# Altium PCB Thunderscope-E.PCBDOC (part 4 of 4)
Units mm, origin at the board's own origin, x right, y up, seen from the top; angles counter-clockwise.
Board outline 90.45 x 105.75 mm, 4 copper layers (L1, L2, L3, L4), stack 1.641 mm thick; 474 components, 268 nets, 1559 pads, 783 vias.
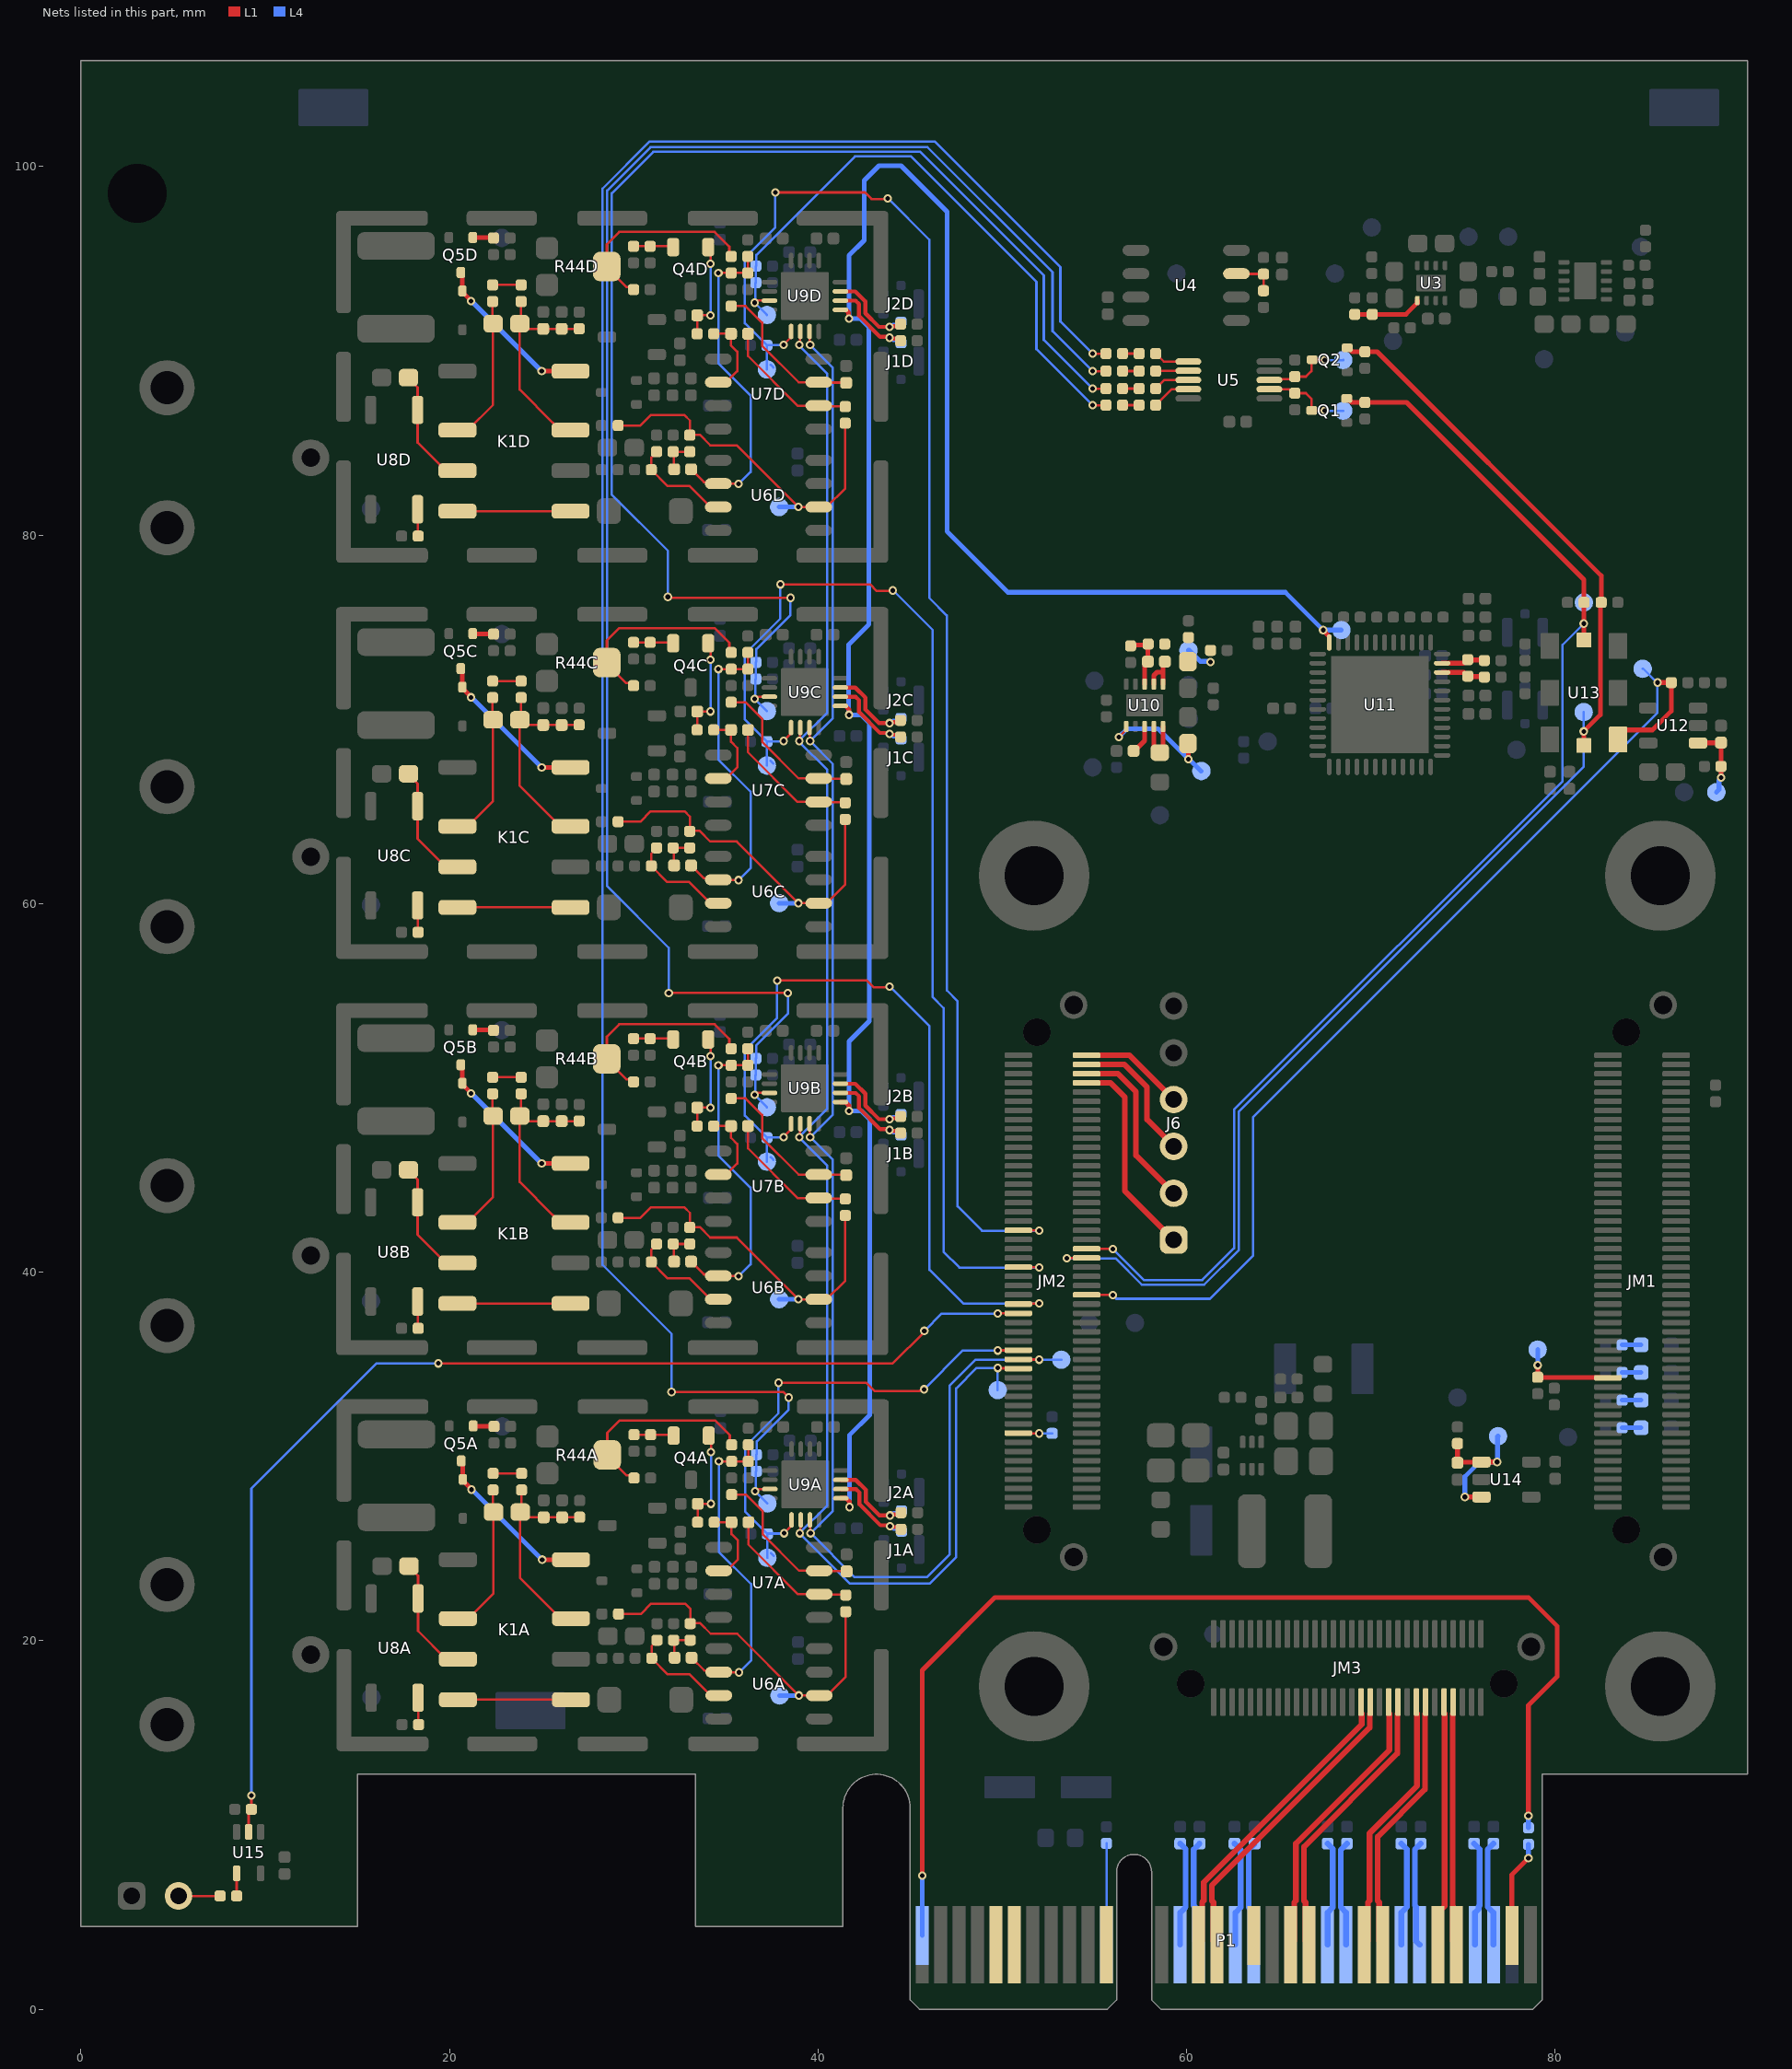
[diagram p6: the nets of this part, all layers, seen from the top]

## Via types
v1: diameter 0.457, hole 0.254, L1 to L4, tented both sides, 783 vias

## Nets (pads, with @x,y where several pads share a name; then routed paths per layer and width w, separated by ;. In a path a pad name is that pad's centre, name@x,y a point inside that pad or via, vN(x,y) a via of type N, cw(c..) or ccw(c..) an arc to the next point about the centre after c; other vN are vias at no path point) (continued)
NetC18A_2: C18A.2 R33A.2 U7A.3 | length 8.7
  L1 w0.127: R33A.2@35.313,27.93 36.088,27.93 36.988,27.03 36.988,25.78 38.971,23.796 U7A.3@40.063,23.796 40.079,23.781 41.534,23.781 C18A.2@41.55,23.765
NetC18B_2: C18B.2 R33B.2 U7B.3 | length 8.7
  L1 w0.127: R33B.2@35.288,49.431 36.063,49.431 36.963,48.531 36.963,47.281 38.946,45.297 U7B.3@40.038,45.297 40.054,45.282 41.509,45.282 C18B.2@41.525,45.266
NetC18C_2: C18C.2 R33C.2 U7C.3 | length 8.7
  L1 w0.127: R33C.2@35.288,70.93 36.063,70.93 36.963,70.03 36.963,68.78 38.946,66.796 U7C.3@40.038,66.796 40.054,66.781 41.509,66.781 C18C.2@41.525,66.765
NetC18D_2: C18D.2 R33D.2 U7D.3 | length 8.7
  L1 w0.127: R33D.2@35.288,92.43 36.063,92.43 36.963,91.53 36.963,90.28 38.946,88.296 U7D.3@40.038,88.296 40.054,88.281 41.509,88.281 C18D.2@41.525,88.265
NetC19A_2: C19A.2 Q4A.1 R35A.1 | length 5.5
  L1 w0.127: R35A.1@33.463,26.43 33.468,26.435 33.468,27.425 C19A.2@33.473,27.43 v1(34.188,27.43) ; Q4A.1@34.063,31.13 34.188,31.005 v1(34.188,30.23)
  L4 w0.127: v1(34.188,27.43) v1(34.188,30.23)
NetC19B_2: C19B.2 Q4B.1 R35B.1 | length 5.5
  L1 w0.127: R35B.1@33.438,47.931 33.443,47.936 33.443,48.926 C19B.2@33.448,48.931 v1(34.163,48.931) ; Q4B.1@34.038,52.631 34.163,52.506 v1(34.163,51.731)
  L4 w0.127: v1(34.163,48.931) v1(34.163,51.731)
NetC19C_2: C19C.2 Q4C.1 R35C.1 | length 5.5
  L1 w0.127: R35C.1@33.438,69.43 33.443,69.435 33.443,70.425 C19C.2@33.448,70.43 v1(34.163,70.43) ; Q4C.1@34.038,74.13 34.163,74.005 v1(34.163,73.23)
  L4 w0.127: v1(34.163,70.43) v1(34.163,73.23)
NetC19D_2: C19D.2 Q4D.1 R35D.1 | length 5.5
  L1 w0.127: R35D.1@33.438,90.93 33.443,90.935 33.443,91.925 C19D.2@33.448,91.93 v1(34.163,91.93) ; Q4D.1@34.038,95.63 34.163,95.505 v1(34.163,94.73)
  L4 w0.127: v1(34.163,91.93) v1(34.163,94.73)
NetC20A_1: C20A.1 R36A.1 R39A.2 | length 1.9
  L1 w0.127: C20A.1@32.215,19.075 32.189,19.101 32.189,20.004 R39A.2@32.163,20.03 R36A.1@33.063,20.03
NetC20A_2: C20A.2 R40A.1 R41A.2 R43A.2 U6A.2 | length 17.8
  L1 w0.127: C20A.2@33.135,19.075 33.83,18.38 34.529,18.38 U6A.2@34.613,18.296 34.621,18.288 35.705,18.288 v1(35.713,18.28) ; v1(34.619,29.73) R43A.2@35.313,29.73 R40A.1@36.213,29.73 R41A.2@36.213,30.63
  L4 w0.127: v1(34.619,29.73) 34.619,24.823 36.363,23.08 36.363,18.93 v1(35.713,18.28)
NetC20B_1: C20B.1 R36B.1 R39B.2 | length 1.9
  L1 w0.127: C20B.1@32.19,40.576 32.164,40.602 32.164,41.505 R39B.2@32.138,41.531 R36B.1@33.038,41.531
NetC20B_2: C20B.2 R40B.1 R41B.2 R43B.2 U6B.2 | length 17.8
  L1 w0.127: C20B.2@33.11,40.576 33.805,39.882 34.504,39.882 U6B.2@34.588,39.797 34.596,39.789 35.68,39.789 v1(35.688,39.781) ; v1(34.594,51.231) R43B.2@35.288,51.231 R40B.1@36.188,51.231 R41B.2@36.188,52.131
  L4 w0.127: v1(34.594,51.231) 34.594,46.324 36.338,44.581 36.338,40.431 v1(35.688,39.781)
NetC20C_1: C20C.1 R36C.1 R39C.2 | length 1.9
  L1 w0.127: C20C.1@32.19,62.075 32.164,62.101 32.164,63.004 R39C.2@32.138,63.03 R36C.1@33.038,63.03
NetC20C_2: C20C.2 R40C.1 R41C.2 R43C.2 U6C.2 | length 17.8
  L1 w0.127: C20C.2@33.11,62.075 33.805,61.38 34.504,61.38 U6C.2@34.588,61.296 34.596,61.288 35.68,61.288 v1(35.688,61.28) ; v1(34.594,72.73) R43C.2@35.288,72.73 R40C.1@36.188,72.73 R41C.2@36.188,73.63
  L4 w0.127: v1(34.594,72.73) 34.594,67.823 36.338,66.08 36.338,61.93 v1(35.688,61.28)
NetC20D_1: C20D.1 R36D.1 R39D.2 | length 1.9
  L1 w0.127: C20D.1@32.19,83.575 32.164,83.601 32.164,84.504 R39D.2@32.138,84.53 R36D.1@33.038,84.53
NetC20D_2: C20D.2 R40D.1 R41D.2 R43D.2 U6D.2 | length 17.8
  L1 w0.127: C20D.2@33.11,83.575 33.805,82.88 34.504,82.88 U6D.2@34.588,82.796 34.596,82.788 35.68,82.788 v1(35.688,82.78) ; v1(34.594,94.23) R43D.2@35.288,94.23 R40D.1@36.188,94.23 R41D.2@36.188,95.13
  L4 w0.127: v1(34.594,94.23) 34.594,89.323 36.338,87.58 36.338,83.43 v1(35.688,82.78)
NetC21A_1: C21A.1 R42A.2 U7A.2 | length 7.6
  L1 w0.127: C21A.1@36.223,26.43 36.223,25.22 38.916,22.526 U7A.2@40.063,22.526 40.089,22.501 41.474,22.501 R42A.2@41.5,22.475
NetC21A_2: C21A.2 R35A.2 U7A.6 | length 4.4
  L1 w0.127: R35A.2@34.363,26.43 C21A.2@35.303,26.43 35.303,25.79 35.638,25.455 35.638,24.396 35.038,23.796 U7A.6@34.613,23.796
NetC21B_1: C21B.1 R42B.2 U7B.2 | length 7.6
  L1 w0.127: C21B.1@36.198,47.931 36.198,46.721 38.891,44.027 U7B.2@40.038,44.027 40.064,44.002 41.449,44.002 R42B.2@41.475,43.976
NetC21B_2: C21B.2 R35B.2 U7B.6 | length 4.4
  L1 w0.127: R35B.2@34.338,47.931 C21B.2@35.278,47.931 35.278,47.291 35.613,46.956 35.613,45.897 35.013,45.297 U7B.6@34.588,45.297
NetC21C_1: C21C.1 R42C.2 U7C.2 | length 7.6
  L1 w0.127: C21C.1@36.198,69.43 36.198,68.22 38.891,65.526 U7C.2@40.038,65.526 40.064,65.501 41.449,65.501 R42C.2@41.475,65.475
NetC21C_2: C21C.2 R35C.2 U7C.6 | length 4.4
  L1 w0.127: R35C.2@34.338,69.43 C21C.2@35.278,69.43 35.278,68.79 35.613,68.455 35.613,67.396 35.013,66.796 U7C.6@34.588,66.796
NetC21D_1: C21D.1 R42D.2 U7D.2 | length 7.6
  L1 w0.127: C21D.1@36.198,90.93 36.198,89.72 38.891,87.026 U7D.2@40.038,87.026 40.064,87.001 41.449,87.001 R42D.2@41.475,86.975
NetC21D_2: C21D.2 R35D.2 U7D.6 | length 4.4
  L1 w0.127: R35D.2@34.338,90.93 C21D.2@35.278,90.93 35.278,90.29 35.613,89.955 35.613,88.896 35.013,88.296 U7D.6@34.588,88.296
NetC30A_1: C30A.1 K1A.3 U8A.3 | length 6.5
  L1 w0.127: C30A.1@17.8,24.05 17.8,24.013 18.295,23.518 U8A.3@18.295,22.295 18.295,20.53 19.825,19 K1A.3@20.455,19
NetC30B_1: C30B.1 K1B.3 U8B.3 | length 6.5
  L1 w0.127: C30B.1@17.775,45.551 17.775,45.514 18.27,45.019 U8B.3@18.27,43.796 18.27,42.031 19.8,40.501 K1B.3@20.43,40.501
NetC30C_1: C30C.1 K1C.3 U8C.3 | length 6.5
  L1 w0.127: C30C.1@17.775,67.05 17.775,67.013 18.27,66.518 U8C.3@18.27,65.295 18.27,63.53 19.8,62 K1C.3@20.43,62
NetC30D_1: C30D.1 K1D.3 U8D.3 | length 6.5
  L1 w0.127: C30D.1@17.775,88.55 17.775,88.513 18.27,88.018 U8D.3@18.27,86.795 18.27,85.03 19.8,83.5 K1D.3@20.43,83.5
NetC32A_1: C32A.1 C33A.2 C34A.2 K1A.7 R47A.2 R49A.2 | length 11.8
  L1 w0.127: R47A.2@23.913,28.18 23.913,27.055 C32A.1@23.838,26.98 ; K1A.7@26.595,21.2 26.032,21.2 25.648,21.584 23.838,23.394 C32A.1@23.838,26.98 ; R49A.2@27.063,26.705 27.053,26.695 C34A.2@25.113,26.695 25.108,26.7 24.118,26.7 C32A.1@23.838,26.98
NetC32A_2: C32A.2 K1A.2 R45A.1 | length 8.1
  L1 w0.127: K1A.2@20.455,21.2 21.018,21.2 22.388,22.57 C32A.2@22.388,26.98 22.363,27.005 R45A.1@22.363,28.18
NetC32B_1: C32B.1 C33B.2 C34B.2 K1B.7 R47B.2 R49B.2 | length 11.8
  L1 w0.127: R47B.2@23.888,49.681 23.888,48.556 C32B.1@23.813,48.481 ; K1B.7@26.57,42.701 26.007,42.701 25.623,43.085 23.813,44.896 C32B.1@23.813,48.481 ; R49B.2@27.038,48.206 27.028,48.196 C34B.2@25.088,48.196 25.083,48.201 24.093,48.201 C32B.1@23.813,48.481
NetC32B_2: C32B.2 K1B.2 R45B.1 | length 8.1
  L1 w0.127: K1B.2@20.43,42.701 20.993,42.701 22.363,44.071 C32B.2@22.363,48.481 22.338,48.506 R45B.1@22.338,49.681
NetC32C_1: C32C.1 C33C.2 C34C.2 K1C.7 R47C.2 R49C.2 | length 11.8
  L1 w0.127: R47C.2@23.888,71.18 23.888,70.055 C32C.1@23.813,69.98 ; K1C.7@26.57,64.2 26.007,64.2 25.623,64.584 23.813,66.394 C32C.1@23.813,69.98 ; R49C.2@27.038,69.705 27.028,69.695 C34C.2@25.088,69.695 25.083,69.7 24.093,69.7 C32C.1@23.813,69.98
NetC32C_2: C32C.2 K1C.2 R45C.1 | length 8.1
  L1 w0.127: K1C.2@20.43,64.2 20.993,64.2 22.363,65.57 C32C.2@22.363,69.98 22.338,70.005 R45C.1@22.338,71.18
NetC32D_1: C32D.1 C33D.2 C34D.2 K1D.7 R47D.2 R49D.2 | length 11.8
  L1 w0.127: R47D.2@23.888,92.68 23.888,91.555 C32D.1@23.813,91.48 ; K1D.7@26.57,85.7 26.007,85.7 25.623,86.084 23.813,87.894 C32D.1@23.813,91.48 ; R49D.2@27.038,91.205 27.028,91.195 C34D.2@25.088,91.195 25.083,91.2 24.093,91.2 C32D.1@23.813,91.48
NetC32D_2: C32D.2 K1D.2 R45D.1 | length 8.1
  L1 w0.127: K1D.2@20.43,85.7 20.993,85.7 22.363,87.07 C32D.2@22.363,91.48 22.338,91.505 R45D.1@22.338,92.68
NetC50_1: C50.1 R57.1 R59.2 U10.3 | length 3.2
  L1 w0.254: R59.2@56.961,73.99 57.011,74.04 57.861,74.04 R57.1@57.906,74.085 ; U10.3@57.722,71.918 57.722,72.943 57.901,73.122 C50.1@57.901,73.14 57.906,73.145 R57.1@57.906,74.085 ; R57.1@57.911,74.09 R57.1@57.906,74.085
NetC50_2: C50.2 C52.2 FB1.1 FB2.1 R57.2 TP26.1 U10.1 U10.2 | length 3.7
  L1 w0.254: U10.2@58.22,71.916 U10.2@58.222,71.918 58.222,72.388 58.4,72.567 58.652,72.567 ; U10.1@58.72,71.916 U10.1@58.722,71.918 58.722,73.108 C50.2@58.78,73.166
  L4 w0.254: TP26.1@60.1,73.75 60.145,73.75 60.745,73.149 61.261,73.149 v1(61.3,73.11)
NetC51_2: C51.2 R56.2 TP25.1 U10.6 U10.9 U10.10 | length 9.4
  L1 w0.127: v1(56.327,69.048) U10.6@56.722,69.443
  L1 w0.254: R56.2@58.222,68.551 U10.9@58.222,69.618 ; R56.2@58.72,68.279 U10.10@58.72,69.616 ; C51.2@60.072,68.693 60.086,68.679 60.086,67.864 v1(60.1,67.85)
  L4 w0.254: v1(56.327,69.048) 56.78,69.501 58.449,69.501 v1(60.1,67.85) 60.125,67.85 60.775,67.2 TP25.1@60.8,67.2
NetC58_2: C58.2 U10.8 | length 1.6
  L1 w0.254: C58.2@57.121,68.29 57.294,68.463 57.349,68.463 57.722,68.836 U10.8@57.722,69.618
NetC59_2: C59.2 R66.2 TP35.1 U12.1 | length 4.1
  L1 w0.254: U12.1@87.792,68.676 U12.1@87.75,68.718 87.761,68.729 88.989,68.729 C59.2@89,68.74 R66.2@89,67.45 v1(89,66.85)
  L4 w0.254: TP35.1@88.75,66.05 88.893,66.193 88.893,66.688 89,66.795 v1(89,66.85)
NetC63_2: C63.2 R78.2 TP43.1 U14.1 U14.3 | length 8.7
  L1 w0.254: R78.2@74.7,30.7 C63.2@74.7,29.66 74.72,29.68 75.98,29.68 U14.1@76,29.7 v1(76.85,29.7) ; v1(75.1,27.8) U14.3@76,27.8
  L4 w0.254: v1(75.1,27.8) 75.1,28.901 75.899,29.7 v1(76.85,29.7) 76.875,29.725 76.875,31.075 TP43.1@76.9,31.1
NetD2A_2: D2A.2 K1A.8 Q5A.1 | length 8.8
  L1 w0.254: Q5A.1@20.638,29.755 20.719,29.674 20.719,28.761 D2A.2@20.725,28.755 20.725,28.685 21.2,28.21 v1(21.2,28.2) ; v1(25.028,24.4) K1A.8@26.595,24.4
  L4 w0.254: v1(21.2,28.2) 21.214,28.2 25.014,24.4 v1(25.028,24.4)
NetD2B_2: D2B.2 K1B.8 Q5B.1 | length 8.8
  L1 w0.254: Q5B.1@20.613,51.256 20.694,51.175 20.694,50.262 D2B.2@20.7,50.256 20.7,50.186 21.175,49.711 v1(21.175,49.701) ; v1(25.003,45.901) K1B.8@26.57,45.901
  L4 w0.254: v1(21.175,49.701) 21.189,49.701 24.989,45.901 v1(25.003,45.901)
NetD2C_2: D2C.2 K1C.8 Q5C.1 | length 8.8
  L1 w0.254: Q5C.1@20.613,72.755 20.694,72.674 20.694,71.761 D2C.2@20.7,71.755 20.7,71.685 21.175,71.21 v1(21.175,71.2) ; v1(25.003,67.4) K1C.8@26.57,67.4
  L4 w0.254: v1(21.175,71.2) 21.189,71.2 24.989,67.4 v1(25.003,67.4)
NetD2D_2: D2D.2 K1D.8 Q5D.1 | length 8.8
  L1 w0.254: Q5D.1@20.613,94.255 20.694,94.174 20.694,93.261 D2D.2@20.7,93.255 20.7,93.185 21.175,92.71 v1(21.175,92.7) ; v1(25.003,88.9) K1D.8@26.57,88.9
  L4 w0.254: v1(21.175,92.7) 21.189,92.7 24.989,88.9 v1(25.003,88.9)
NetD3_2: D3.2 R10.1 | length 1
  L4 w0.254: R10.1@83.639,36.053 D3.2@84.664,36.053
NetD4_2: D4.2 R88.1 | length 1
  L4 w0.254: R88.1@83.639,34.553 D4.2@84.664,34.553
NetD5_2: D5.2 R89.1 | length 1
  L4 w0.254: R89.1@83.639,33.053 D5.2@84.664,33.053
NetD6_2: D6.2 R90.1 | length 1
  L4 w0.254: R90.1@83.639,31.553 D6.2@84.664,31.553
NetJ7_2: J7.2 R46.1 | length 2.3
  L1 w0.127: J7.2@5.29,6.15 R46.1@7.55,6.15
NetK1A_4: K1A.4 K1A.5 | length 6.1
  L1 w0.127: K1A.4@20.455,16.8 K1A.5@26.595,16.8
NetK1B_4: K1B.4 K1B.5 | length 6.1
  L1 w0.127: K1B.4@20.43,38.301 K1B.5@26.57,38.301
NetK1C_4: K1C.4 K1C.5 | length 6.1
  L1 w0.127: K1C.4@20.43,59.8 K1C.5@26.57,59.8
NetK1D_4: K1D.4 K1D.5 | length 6.1
  L1 w0.127: K1D.4@20.43,81.3 K1D.5@26.57,81.3
NetQ1_1: Q1.1 R26.1 TP17.1 U5.2 | length 4.9
  L1 w0.127: U5.2@64.49,87.92 65.562,87.92 65.599,87.883 65.697,87.883 R26.1@65.875,87.705 66.475,87.705 66.79,87.39 Q1.1@66.79,86.77 67.48,86.77 v1(67.5,86.75)
  L4 w0.127: v1(67.5,86.75) 67.503,86.753 68.498,86.753 TP17.1@68.501,86.755
NetQ2_1: Q2.1 R27.1 TP19.1 U5.3 | length 4.8
  L1 w0.127: U5.3@64.49,88.42 64.528,88.458 65.728,88.458 R27.1@65.875,88.605 66.475,88.605 66.775,88.905 66.775,89.48 Q2.1@66.815,89.52 67.48,89.52 v1(67.5,89.5)
  L4 w0.127: v1(67.5,89.5) 67.502,89.502 68.498,89.502 TP19.1@68.501,89.505
NetQ4A_2: Q4A.2 R37A.2 R38A.2 | length 2.2
  L1 w0.127: R37A.2@30.013,31.18 R38A.2@30.913,31.18 32.113,31.18 Q4A.2@32.163,31.13
NetQ4B_2: Q4B.2 R37B.2 R38B.2 | length 2.2
  L1 w0.127: R37B.2@29.988,52.681 R38B.2@30.888,52.681 32.088,52.681 Q4B.2@32.138,52.631
NetQ4C_2: Q4C.2 R37C.2 R38C.2 | length 2.2
  L1 w0.127: R37C.2@29.988,74.18 R38C.2@30.888,74.18 32.088,74.18 Q4C.2@32.138,74.13
NetQ4D_2: Q4D.2 R37D.2 R38D.2 | length 2.2
  L1 w0.127: R37D.2@29.988,95.68 R38D.2@30.888,95.68 32.088,95.68 Q4D.2@32.138,95.63
NetQ5A_2: Q5A.2 R50A.1 | length 1.1
  L1 w0.254: Q5A.2@21.288,31.655 21.3,31.643 22.4,31.643 R50A.1@22.413,31.63
NetQ5B_2: Q5B.2 R50B.1 | length 1.1
  L1 w0.254: Q5B.2@21.263,53.156 21.275,53.144 22.375,53.144 R50B.1@22.388,53.131
NetQ5C_2: Q5C.2 R50C.1 | length 1.1
  L1 w0.254: Q5C.2@21.263,74.655 21.275,74.643 22.375,74.643 R50C.1@22.388,74.63
NetQ5D_2: Q5D.2 R50D.1 | length 1.1
  L1 w0.254: Q5D.2@21.263,96.155 21.275,96.143 22.375,96.143 R50D.1@22.388,96.13
NetR9_1: R9.1 R12.2 U3.5 | length 3.8
  L1 w0.254: R9.1@69.126,91.984 R12.2@70.076,91.984 71.901,91.984 72.526,92.609 U3.5@72.526,92.734
NetR14_1: R14.1 R17.2 U4.3 | length 2.4
  L1 w0.127: U4.3@62.7,94.19 62.713,94.178 64.163,94.178 R17.2@64.175,94.165 R14.1@64.175,93.265
NetR15_1: R15.1 R16.2 | length 0.9
  L1 w0.127: R16.2@56.525,89.855 R15.1@57.425,89.855
NetR15_2: R15.2 U5.6 | length 1.9
  L1 w0.127: R15.2@58.325,89.855 58.76,89.42 U5.6@60.09,89.42
NetR18_1: R18.1 R19.2 | length 0.9
  L1 w0.127: R19.2@56.525,88.905 R18.1@57.425,88.905
NetR18_2: R18.2 U5.7 | length 1.8
  L1 w0.127: R18.2@58.325,88.905 58.333,88.913 60.083,88.913 U5.7@60.09,88.92
NetR20_1: R20.1 R21.2 | length 0.9
  L1 w0.127: R21.2@56.525,87.955 R20.1@57.425,87.955
NetR20_2: R20.2 U5.8 | length 2
  L1 w0.127: R20.2@58.325,87.955 58.79,88.42 U5.8@60.09,88.42
NetR22_1: R22.1 R23.2 | length 0.9
  L1 w0.127: R23.2@56.525,87.055 R22.1@57.425,87.055
NetR22_2: R22.2 U5.9 | length 2.1
  L1 w0.127: R22.2@58.325,87.055 59.19,87.92 U5.9@60.09,87.92
NetR31A_1: R31A.1 R34A.2 U6A.3 | length 5.6
  L1 w0.127: R34A.2@31.263,20.03 31.263,19.998 30.975,19.71 R31A.1@30.975,19.05 31.845,18.18 33.034,18.18 34.188,17.026 U6A.3@34.613,17.026
NetR31B_1: R31B.1 R34B.2 U6B.3 | length 5.6
  L1 w0.127: R34B.2@31.238,41.531 31.238,41.499 30.95,41.211 R31B.1@30.95,40.551 31.82,39.681 33.009,39.681 34.163,38.527 U6B.3@34.588,38.527
NetR31C_1: R31C.1 R34C.2 U6C.3 | length 5.6
  L1 w0.127: R34C.2@31.238,63.03 31.238,62.998 30.95,62.71 R31C.1@30.95,62.05 31.82,61.18 33.009,61.18 34.163,60.026 U6C.3@34.588,60.026
NetR31D_1: R31D.1 R34D.2 U6D.3 | length 5.6
  L1 w0.127: R34D.2@31.238,84.53 31.238,84.498 30.95,84.21 R31D.1@30.95,83.55 31.82,82.68 33.009,82.68 34.163,81.526 U6D.3@34.588,81.526
NetR32A_1: R32A.1 R36A.2 R42A.1 TP23A.1 U6A.6 | length 20.1
  L1 w0.127: R32A.1@29.175,21.45 30.383,21.45 30.944,22.012 32.781,22.012 33.075,21.718 R36A.2@33.075,20.95 ; R36A.2@33.063,20.93 33.075,20.942 R36A.2@33.075,20.95 ; R42A.1@41.5,21.575 41.5,18.038 40.488,17.026 U6A.6@40.063,17.026 40.061,17.028 38.965,17.028 v1(38.963,17.03) 35.613,20.38 34.174,20.38 33.604,20.95 R36A.2@33.075,20.95
  L4 w0.254: TP23A.1@37.913,17.03 v1(38.963,17.03)
NetR32B_1: R32B.1 R36B.2 R42B.1 TP23B.1 U6B.6 | length 20.1
  L1 w0.127: R32B.1@29.15,42.951 30.358,42.951 30.919,43.513 32.756,43.513 33.05,43.219 R36B.2@33.05,42.451 ; R36B.2@33.038,42.431 33.05,42.444 R36B.2@33.05,42.451 ; R42B.1@41.475,43.076 41.475,39.539 40.463,38.527 U6B.6@40.038,38.527 40.036,38.529 38.94,38.529 v1(38.938,38.531) 35.588,41.881 34.149,41.881 33.579,42.451 R36B.2@33.05,42.451
  L4 w0.254: TP23B.1@37.888,38.531 v1(38.938,38.531)
NetR32C_1: R32C.1 R36C.2 R42C.1 TP23C.1 U6C.6 | length 20.1
  L1 w0.127: R32C.1@29.15,64.45 30.358,64.45 30.919,65.012 32.756,65.012 33.05,64.718 R36C.2@33.05,63.95 ; R36C.2@33.038,63.93 33.05,63.942 R36C.2@33.05,63.95 ; R42C.1@41.475,64.575 41.475,61.038 40.463,60.026 U6C.6@40.038,60.026 40.036,60.028 38.94,60.028 v1(38.938,60.03) 35.588,63.38 34.149,63.38 33.579,63.95 R36C.2@33.05,63.95
  L4 w0.254: TP23C.1@37.888,60.03 v1(38.938,60.03)
NetR32D_1: R32D.1 R36D.2 R42D.1 TP23D.1 U6D.6 | length 20.1
  L1 w0.127: R32D.1@29.15,85.95 30.358,85.95 30.919,86.512 32.756,86.512 33.05,86.218 R36D.2@33.05,85.45 ; R36D.2@33.038,85.43 33.05,85.442 R36D.2@33.05,85.45 ; R42D.1@41.475,86.075 41.475,82.538 40.463,81.526 U6D.6@40.038,81.526 40.036,81.528 38.94,81.528 v1(38.938,81.53) 35.588,84.88 34.149,84.88 33.579,85.45 R36D.2@33.05,85.45
  L4 w0.254: TP23D.1@37.888,81.53 v1(38.938,81.53)
NetR43A_1: R43A.1 R44A.2 R48A.2 | length 11
  L1 w0.127: R48A.2@30.013,28.83 29.872,28.97 29.622,28.97 28.563,30.03 28.563,31.28 29.238,31.955 34.413,31.955 35.209,31.159 35.209,30.734 R43A.1@35.313,30.63
NetR43B_1: R43B.1 R44B.2 R48B.2 | length 11
  L1 w0.127: R48B.2@29.988,50.331 29.847,50.472 29.597,50.472 28.538,51.531 28.538,52.781 29.213,53.456 34.388,53.456 35.184,52.66 35.184,52.235 R43B.1@35.288,52.131
NetR43C_1: R43C.1 R44C.2 R48C.2 | length 11
  L1 w0.127: R48C.2@29.988,71.83 29.847,71.97 29.597,71.97 28.538,73.03 28.538,74.28 29.213,74.955 34.388,74.955 35.184,74.159 35.184,73.734 R43C.1@35.288,73.63
NetR43D_1: R43D.1 R44D.2 R48D.2 | length 11
  L1 w0.127: R48D.2@29.988,93.33 29.847,93.47 29.597,93.47 28.538,94.53 28.538,95.78 29.213,96.455 34.388,96.455 35.184,95.659 35.184,95.234 R43D.1@35.288,95.13
NetR45A_2: R45A.2 R47A.1 | length 1.5
  L1 w0.127: R45A.2@22.363,29.08 R47A.1@23.913,29.08
NetR45B_2: R45B.2 R47B.1 | length 1.5
  L1 w0.127: R45B.2@22.338,50.581 R47B.1@23.888,50.581
NetR45C_2: R45C.2 R47C.1 | length 1.5